# Altium PCB Antenna_base_v5.PcbDoc (part 1 of 2) (continued)
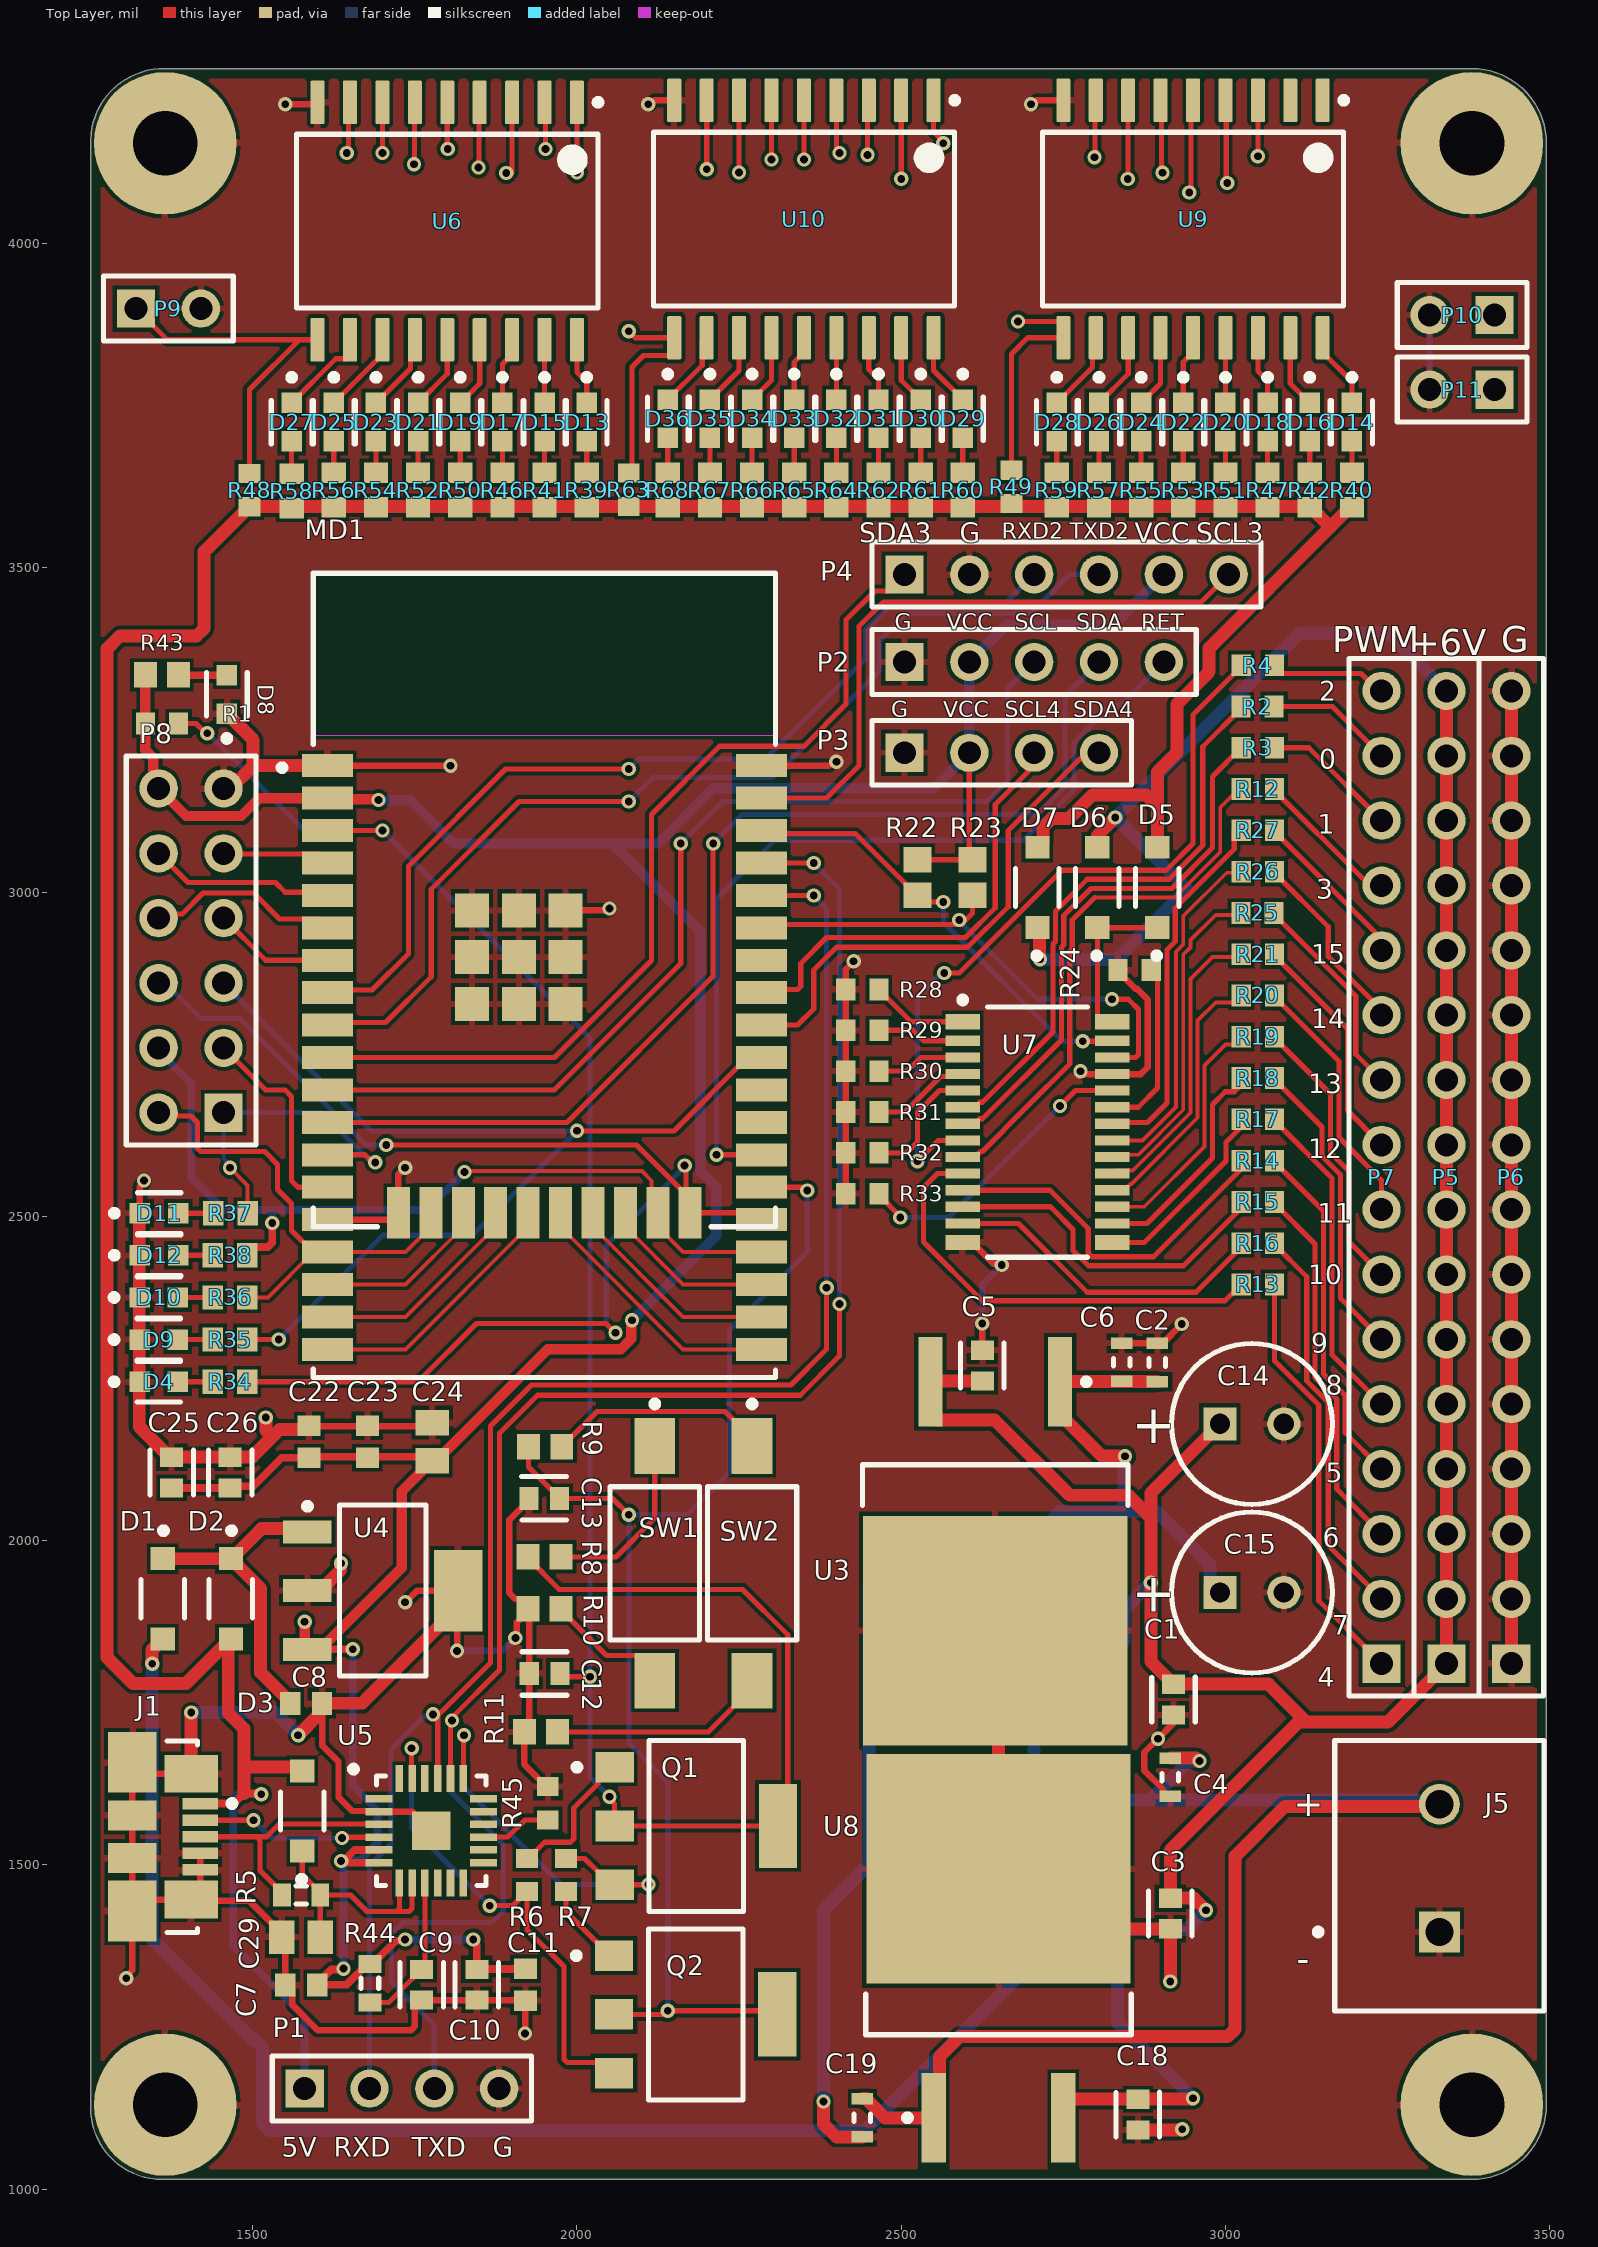
[diagram p0: Top Layer view]
## Footprints (in the part's own frame and the unit in brackets; to place one, negate y for a bottom-side part, rotate by r counter-clockwise, add the part's x,y. Pads: shape width x height; smd on the part's side, far side on the other; paste and mask are expansions set on the pad) (continued)
J1-0603 [mm] "Chip Resistor, Body 1.6x0.8mm, IPC High Density"
  rect 0.7x0.9 smd: 1(-0.75,0) 2(0.75,0)
  silkscreen extent -0.2,-0.35 0.2,0.35, body extent -0.85,-0.48 0.85,0.48, height 0.9
MOLX-47346-0001-5_V [mm] "SMD, 5-Leads, Body 7.5x5mm, Pitch 0.65mm"
  rect 0.45x1.38 smd: 1(-1.3,2.46) 2(-0.65,2.46) 3(0,2.46) 4(0.65,2.46) 5(1.3,2.46)
  rect 1.475x2.1 smd: 6(-2.462,2.1) 7(2.462,2.1)
  rect 2.375x1.9 smd: 8(-2.913,-0.2) 11(2.913,-0.2)
  rect 1.175x1.9 smd: 9(-0.837,-0.2) 10(0.837,-0.2)
  silkscreen extent -3.75,1.16 3.75,3.83, body extent -3.99,-2.78 3.99,2.65, height 2.69
RESC1608X50X30ML20T20 [mm] "Chip Resistor, 2-Leads, Body 1.60x0.80mm, IPC Low Density"
  rect 1x1.1 smd: 1(-0.7,0) 2(0.7,0)
  body extent -0.9,-0.5 0.9,0.5, height 0.5
RESC1608X55X30NL15T15 [mm] "Chip Resistor, 2-Leads, Body 1.60x0.80mm, IPC Medium Density"
  rect 0.8x0.95 smd: 1(-0.675,0) 2(0.675,0)
  body extent -0.87,-0.48 0.87,0.48, height 0.55
RESC1608X55X30NL20T20 [mm] "Chip Resistor, 2-Leads, Body 1.60x0.80mm, IPC Medium Density"
  rect 0.9x1 smd: 1(-0.65,0) 2(0.65,0)
  body extent -0.9,-0.5 0.9,0.5, height 0.55
RESC1609X55X30LL15T15 [mm] "Chip Resistor, 2-Leads, Body 1.75x0.95mm, IPC High Density"
  rect 0.75x0.85 smd: 1(-0.65,0) 2(0.65,0)
  body extent -0.87,-0.48 0.87,0.48, height 0.55
SLAB-QFN-24-2550x2550TP_A_V [mm] "QFN, 6-Leads, Body 4x4mm, Pitch 0.5mm, Thermal Pad 2.55x2.55mm"
  rect 1.053x0.3 smd: 1(-2.052,1.25) 2(-2.052,0.75) 3(-2.052,0.25) 4(-2.052,-0.25) 5(-2.052,-0.75) 6(-2.052,-1.25) 13(2.052,-1.25) 14(2.052,-0.75) 15(2.052,-0.25) 16(2.052,0.25) 17(2.052,0.75) 18(2.052,1.25)
  rect 0.3x1.053 smd: 7(-1.25,-2.052) 8(-0.75,-2.052) 9(-0.25,-2.052) 10(0.25,-2.052) 11(0.75,-2.052) 12(1.25,-2.052) 19(1.25,2.052) 20(0.75,2.052) 21(0.25,2.052) 22(-0.25,2.052) 23(-0.75,2.052) 24(-1.25,2.052)
  rect 1.524x1.524 smd: 25(0,0)
  silkscreen extent -3.17,-2.15 2.15,2.54, body extent -2,-2 2,2, height 0.8
SOT361-1_V [mm] "SOP, 28-Leads, Body 9.7x4.4mm, Pitch 0.65mm, NXP Recommended"
  rect 1.35x0.6 smd: 1(-2.925,4.325) 14(-2.925,-4.325) 15(2.925,-4.325) 28(2.925,4.325)
  rect 1.35x0.4 smd: 2(-2.925,3.575) 3(-2.925,2.925) 4(-2.925,2.275) 5(-2.925,1.625) 6(-2.925,0.975) 7(-2.925,0.325) 8(-2.925,-0.325) 9(-2.925,-0.975) 10(-2.925,-1.625) 11(-2.925,-2.275) 12(-2.925,-2.925) 13(-2.925,-3.575) 16(2.925,-3.575) 17(2.925,-2.925) 18(2.925,-2.275) 19(2.925,-1.625) 20(2.925,-0.975) 21(2.925,-0.325) 22(2.925,0.325) 23(2.925,0.975) 24(2.925,1.625) 25(2.925,2.275) 26(2.925,2.925) 27(2.925,3.575)
  silkscreen extent -3.05,-4.9 1.96,5.3, body extent -2.2,-4.85 2.2,4.85, height 1.1
SOT-223-DB3_L [mm] "SOT223, 4-Leads, Body 6.5x3.5mm, Pitch 2.3mm, Lead Span 7mm, IPC High Density"
  rect 1.9x0.9 smd: 1(-2.95,2.3) 2(-2.95,0) 3(-2.95,-2.3)
  rect 1.9x3.2 smd: 4(2.95,0)
  silkscreen extent -3.07,-3.35 1.7,3.42, body extent -1.85,-3.35 1.85,3.35, height 1.8
TECO-282836-2_V [mm] "Female Header, Pitch 5mm, 1 x 2 Position, Height 10mm"
  rect 1.6x1.6 hole 1.1: 1(-2.5,0)
  round 1.6 hole 1.1: 2(2.5,0)
  silkscreen extent -5.6,-4.1 5,4.87, body extent -5.6,-4.1 5,4.1, height 10
TECO-FSMSMTR_V [mm] "SMD, 2-Leads, Body 6x3.5mm, Pitch 9.19mm"
  rect 2.2x1.6 smd: 1(-4.595,0)
  rect 2.18x1.6 smd: 2(4.595,0)
  silkscreen extent -6.37,-1.75 3,1.75, body extent -4.98,-1.75 4.98,1.75, height 4.4
TO-263_L [mm] "D2-PAK, 4-Leads, Body 9.2x10.2mm, Pitch 2.54mm, Lead Span 15.4mm, IPC High Density"
  rect 3.5x0.95 smd: 1(-6.25,2.54) 3(-6.25,-2.54)
  rect 9x10.35 smd: 4(3.5,0)
  silkscreen extent -6.38,-5.2 -1.4,5.2, body extent -3,-5.2 6.35,5.2, height 4.6

## Part data
C1 C3 C5 C9 C10 C12 C13 C18 C25 C26: library part CMP-03020-016578-1, "CAP CER 0.1UF 16V X7R 0603", Capacitance="0.10 μF", Manufacturer=KEMET, Manufacturer Part Number=C0603C104M4RAC7411, Package=C0603C-CF, Temperature="-55°C to +125°C", Temperature Characteristic=X7R, Temperature Coefficient=30ppm/°C, Temperature Range High=+125°C, Temperature Range Low=-55°C, Tolerance=0.2, Voltage Rating="16 V", Automotive=Yes, Automotive Grade="Grade 1", Category=Cap, ComponentLink2Description=Datasheet, ComponentLink2URL=https://api.kemet.com/component-edge/download/datasheet/C0603C100J5GACAUTO.pdf, Device Class L1="Passive Components", Device Class L2=Capacitors, Device Class L3="Ceramic Capacitors", Digikey Description="CAP CER 0.1UF 16V X7R 0603", Height=0.87mm, Lead Free=Yes, Material=Ceramic, Mouser Description="Multilayer Ceramic Capacitors MLCC - SMD/SMT 16volts 0.1uF X7R 20%", Octopart=https://octopart.com/c0603c104m4rac7411-kemet-9138805, RoHS=TRUE
C2 C4 C6 C19: library part CMP-2000-07551-1, "Chip Capacitor, 0.33 uF, +/- 10%, 50 V, -55 to 125 degC, 0603 (1608 Metric), RoHS, Tape and Reel", Manufacturer=TDK, Package Description="2-Pin Surface Mount Device, Body 1.6 x 0.8 mm", Package Reference=603, Datasheet URL=https://product.tdk.com/info/en/catalog/datasheets/mlcc_commercial_general_en.pdf, Datasheet Version=07/2017, Manufacturer URL=http://www.tdk.com/, Mounting Technology=SurfaceMount
C7 C8 C11 C22 C23: library part CMP-2006-03318-1, Manufacturer=Kemet, Part Number=C0603C101J1GACTU
C14 C15: library part CMP-1665-00035-2, "Aluminum Electrolytic Capacitor, 22 uF, +/- 20%, 100 V, -40 to 85 degC, 2-Pin THD, RoHS, Bulk", Case Code (Imperial)=0603, Case Code (Metric)=1608, Colour=Orange, Forward Current="20 mA", Forward Voltage="2.1 V", Max Operating Temperature="85 degC", Min Operating Temperature="-55 degC", Package Quantity=3000, Case\Package=0603, ComponentLink1Description="Manufacturer URL", ComponentLink1URL=http://www.panasonic.com/, ComponentLink2Description=Datasheet, ComponentLink2URL=https://industrial.panasonic.com/cdbs/www-data/pdf/RDF0000/ABA0000C1047.pdf, DatasheetVersion=Mar-16, Height="1.1 mm", Illumination Colour=Orange, Length="1.6 mm", Lens Style=Clear, Luminous Intensity="2 mcd", Mount="Surface Mount", Nominal Vf="2.1 V", PackageDescription="2-Pin Through Hole Device, Dia 6.3 mm, Body Length 11.2 mm", PackageReference=Radial, Packaging="Tape and Reel", Pins=2, Radiation Hardening=No, RoHSCompliant=true, Viewing Angle="130 degrees", Width="0.8 mm"
C24 C29: library part CMP-2007-03453-1, Manufacturer=Murata, Package=0805, Part Number=GRM21BR61C106KE15L
D1 D2 D3 D5 D6 D7: library part CMP-12790-000018-1, "DIODE SCHOTTKY 40V 1A SOD123", Capacitance=50pF, Forward Current=1A, Manufacturer="Diodes Inc", Manufacturer Part Number=1N5819HW-7-F, Max Junction Temp=+125°C, Max Repetitive Reverse Voltage=40V, Max Surge Forward Current=25A, Package=SOD123, Peak Reverse Current=1mA, Temperature="-65°C to +125°C", Temperature Range Low=-65°C, Terminal Temperature Tt Degc=90, Automotive=No, Category=Diode, Ciiva Ids=815630, ComponentLink2Description=Datasheet, ComponentLink2URL=https://www.diodes.com/assets/Datasheets/ds30217.pdf, Device Class L1="Discrete Semiconductors", Device Class L2=Diodes, Device Class L3="Schottky Diodes", Digikey Description="DIODE SCHOTTKY 40V 1A SOD123", Footprint Url=https://www.diodes.com/assets/Package-Files/SOD123.pdf, Height=1.45mm, If A=1, Import Ts=1521843113, Ipc Land Pattern Name=SOD365155X123-2, Lead Free=Yes, Mouser Description="1N5819HW Series 40 V 1 A Surface Mount Schottky Barrier Rectifier - SOD-123", Octopart=https://octopart.com/1n5819hw-7-f-diodes+inc.-323197, Release Date=1385348939, Reverse Voltage=40V, RoHS=TRUE, Standoff Height=0mm, Temperature Range High=+125°C, Vr V=40
D4 D9 D10 D11 D12 D13 D14 D15 D16 D17 D18 D19 D20 D21 D22 D23 D24 D25 D26 D27 D28 D29 D30 D31 D32 D33 D34 D35 D36: library part CMP-22017-000008-1, "LED BLUE CLEAR CHIP SMD", Case Code (Imperial)=0603, Case Code (Metric)=1608, Color=Blue, Forward Current=20mA, Forward Voltage=3.8V, Lens Color=Colorless, Max Operating Temperature=80°C, Max Power Dissipation=75mW, Min Operating Temperature=-20°C, Package Quantity=1, Power Dissipation=76mW, Reverse Voltage=5V, Case/Package=0603, Depth=1.6mm, Dominant Wavelength=475nm, Height=0.55mm, Illumination Color=Blue, Lead Free="Lead Free", Length=0.8mm, Lens Style=Diffused, Lens Transparency=Clear, Luminous Intensity=180mcd, Mount="Surface Mount", Number of Elements=1, Number of LEDs=1, Number of Pins=2, Packaging="Tape and Reel", Radiation Hardening=No, Test Current=20mA, Viewing Angle=130°, Wavelength=468nm, Width=0.8mm
D8: library part CMP-22017-000005-1, "LED GREEN CLEAR CHIP SMD", Case Code (Imperial)=0603, Case Code (Metric)=1608, Color=Green, Forward Current=30mA, Forward Voltage=2.1V, Lens Color=Colorless, Max Operating Temperature=85°C, Min Operating Temperature=-55°C, Package Quantity=1, Power Dissipation=100mW, Reverse Voltage=5V, Test Current=10mA, Voltage=2V, Case/Package=0603, Depth=0.8mm, Dominant Wavelength=569nm, Height=0.8mm, Illumination Color=Green, Lead Free="Lead Free", Length=1.6mm, Lens Style=Clear, Lens Transparency=Clear, Luminous Intensity=6mcd, Mount="Surface Mount", Number of Elements=1, Number of LEDs=1, Number of Pins=2, Packaging="Tape and Reel", Power Rating=100mW, Radiation Hardening=No, Viewing Angle=130°, Wavelength=565nm, Width=0.8mm
J1: library part CMP-2000-05246-1, "Micro-USB B Receptacle with Flange, -30 to 85 degC, 5-Pin SMD, RoHS, Tape and Reel", Color=Black, Manufacturer=Molex, Maximum Current Rating=1.8/ContactA, Maximum Voltage Rating=30VAC, Operating Temperature=-30to85C, Body Orientation=RightAngle, Contact Material=CopperAlloy, Contact Plating=GoldOverPalladiumNickelOverNickel, Datasheet URL=https://datasheet.ciiva.com/30075/304740473460001-io-nectors-30075527.pdf, Datasheet Version=Dec-13, Dimension=7.8x5.43x2.94mm, Gender=RCP, Housing Material=LiquidCrystalPolymer, Manufacturer URL=http://www.molex.com/, Mounting=SurfaceMount, Number of Contacts=5, Number of Ports=1, Number of Terminals=5, Packaging=EmbossedTapeandReel, Part No=47346-0001, Pitch=0.65mm, RoHS=Yes, Termination Method=Solder, Type=MicroUSBTypeB
J5: library part CMP-1684-00017-1, "Female Header, Pitch 5 mm, 1 x 2 Position, Height 10 mm, Tail Length 3.5 mm, Rohs, Bulk", Color=Green, Current=13.5A, Manufacturer="TE Connectivity", Package Description="Female Header, Pitch 5 mm, 1 x 2 Position, Height 10 mm, Tail Length 3.5 mm", Package Reference=THD, Standard Package=300, Voltage=300V, 3D Model=282836-2.pdf, Category=Connectors,Interconnects, Clamp Material - Plating=Brass-NickelPlated, Contact Material - Plating=Brass-TinPlated, Datasheet URL=http://www.te.com.cn/commerce/DocumentDelivery/DDEController?Action=showdoc&DocId=Catalog+Section%7F1308389_EUROSTYLE_TERMINAL_BLOCKS%7F0607%7Fpdf%7FEnglish%7FENG_CS_1308389_EUROSTYLE_TERMINAL_BLOCKS_0607.pdf%7F282836-2, Dynamic Catalog=BuchananSeries, Family=TerminalBlocks-WiretoBoard, Featured Product=EurostyleTerminalBlockConnectors, Features=Interlocking(Side), Housing Material=Polyamide(PA66),Nylon6/6, Manufacturer URL=http://www.te.com, Mating Orientation=HorizontalwithBoard, Mounting Type=ThroughHole, Number of Levels=1, Other Names="5ULV-02B / A98076", Packaging=Bulk, Pitch="0.197\"(5.00mm)", Positions Per Level=2, Product Training Modules=Wire-to-BoardEurostyleTerminalBlocks, RoHS Information=282836-2StatementofCompliance, Screw Material - Plating=Brass-NickelPlated, Screw Thread=M3, Series=Buchanan, Torque - Screw=0.68Nm(6Lb-In), Wire Gauge=16-30AWG, Wire Termination=Screw-RisingCageClamp
MD1: library part CMP-194065-000003-1, "WIFI MODULE 32MBITS SPI FLASH", Manufacturer="Espressif Systems", Max Frequency=2484MHz, Max Supply Voltage=3.6V, Min Supply Voltage=3V, Nominal Supply Current=500mA, Temperature="-40°C to +85°C", Temperature Range High=+85°C, Temperature Range Low=-40°C, Automotive=No, Bandwidth=72MHz, Category=UNK, ComponentLink2Description=Datasheet, ComponentLink2URL=https://www.espressif.com/sites/default/files/documentation/esp32-wroom-32d_esp32-wroom-32u_datasheet_en.pdf, Data Rate=150Mbits/s, Device Class L1="Integrated Circuits (ICs)", Device Class L2="RF Semiconductors and Devices", Device Class L3=Transceivers, Digikey Description="WIFI MODULE 32MBITS SPI FLASH", Height=3.2mm, Interface=I2C,SPI,UART,Ethernet,I2S,Other, Lead Free=Yes, Manufacturer Part Number=ESP32-WROOM-32D, Mouser Description="Wi-Fi/BT BLE Module ESP32-D0WD, SPI Flash, UART, P", Number Of Adc Channels=16, Number Of Gpio=32, Octopart=https://octopart.com/esp32-wroom-32d-espressif+systems-91040050, Package=ESP32-WROOM-32D, RoHS=TRUE, Sensitivity=-98dBm
P1 P3: "Header, 4-Pin", LatestRevisionDate=17-Jul-2002, LatestRevisionNote="Re-released for DXP Platform.", Publisher="Altium Limited"
P2: "Header, 5-Pin", LatestRevisionDate=17-Jul-2002, LatestRevisionNote="Re-released for DXP Platform.", Publisher="Altium Limited"
P4: "Header, 6-Pin", LatestRevisionDate=17-Jul-2002, LatestRevisionNote="Re-released for DXP Platform.", Publisher="Altium Limited"
P5 P6 P7: "Header, 16-Pin", LatestRevisionDate=17-Jul-2002, LatestRevisionNote="Re-released for DXP Platform.", Publisher="Altium Limited"
P8: "Header, 6-Pin, Dual row", LatestRevisionDate=17-Jul-2002, LatestRevisionNote="Re-released for DXP Platform.", Publisher="Altium Limited"
P9 P10 P11: "Header, 2-Pin", LatestRevisionDate=17-Jul-2002, LatestRevisionNote="Re-released for DXP Platform.", Publisher="Altium Limited"
Q1 Q2: library part CMP-12195-000003-1, "TRANS NPN 80V 1A SOT-223", Collector Base Voltage=100V, Collector Emitter Breakdown Voltage=80V, Collector Emitter Saturation Voltage=0.5V, Emitter Base Voltage=5V, Manufacturer=STMicroelectronics, Max Collector Current=1A, Max Junction Temp=+150°C, Package=SOT-223-P008, Power Dissipation=1.6W, Temperature="to +150°C", Automotive=No, Category=Trans, Collector Emitter Voltage=80V, ComponentLink2Description=Datasheet, ComponentLink2URL=https://www.st.com/resource/en/datasheet/bcp56-16.pdf, Device Class L1="Discrete Semiconductors", Device Class L2=Transistors, Device Class L3=BJTs, Digikey Description="TRANS NPN 80V 1A SOT-223", Footprint Url=https://www.st.com/content/ccc/resource/technical/document/application_note/45/cc/69/ea/2f/8d/4e/3c/CD00004438.pdf/files/CD00004438.pdf/jcr:content/translations/en.CD00004438.pdf, Height=1.82mm, Hfe Max=250, Hfe Min=100, Hfe Testic=150mA, Hfe Testvce=2V, Ipc Land Pattern Name=SOT230P700X180-4, Lead Free=Yes, Manufacturer Part Number=BCP56-16, Mouser Description="BCP56 Series 80 V 1 A 1.6 W Surface Mount Low Power NPN Transistor - SOT-223", Number of Elements=1, Number Of Npn=1, Octopart=https://octopart.com/bcp56-16-stmicroelectronics-13883839, RoHS=TRUE, Rthja Max=78°C/W, Standoff Height=0.02mm, Temperature Range High=+150°C
R1 R2 R3 R4 R6 R7 R12 R13 R14 R15 R16 R17 R18 R19 R20 R21 R24 R25 R26 R27 R28 R29 R30 R31 R32 R33 R45 R48 R49 R63: library part CMP-2000-07452-1, "Chip Resistor, 10 KOhm, +/- 1%, 0.1 W, -55 to 155 degC, 0603 (1608 Metric), RoHS, Tape and Reel", Case Code (Imperial)=0603, Case Code (Metric)=1608, Manufacturer=Panasonic, Max Operating Temperature=155degC, Max Power Dissipation=100mW, Min Operating Temperature=-55degC, Package Description="2-Pin Surface Mount Device, Body 1.6 x 0.85 mm", Package Quantity=1, Package Reference=603, Resistance=10KOhm, Temperature Coefficient=100ppm\/degreesC, Tolerance=1%, Voltage Rating=75V, Case\/Package=0603, Composition=ThickFilm, Contact Plating=Tin, Datasheet URL=https://industrial.panasonic.com/cdbs/www-data/pdf/RDA0000/AOA0000C304.pdf, Datasheet Version=02/2017, Depth=0.8mm, Height=0.45mm, Lead Free=LeadFree, Length=1.6mm, Manufacturer URL=http://www.panasonic.com/, Military Standard=Not, Mount=SurfaceMount, Mounting Technology=SurfaceMount, Number of Pins=2, Number of Terminations=2, Packaging=TapeandReel, Power Rating=100mW, Radiation Hardening=No, REACH SVHC=NoSVHC, RoHSCompliant=true, Termination=SMD/SMT, Voltage Rating (DC)=75V, Width=0.031inch
R5 R44: library part Res3, "Resistor", LatestRevisionDate=29-May-2009, LatestRevisionNote="IPC-7351 Footprint Added.", PackageDescription="Chip Resistor", PackageReference=J1-0603, Published=8-Jun-2000, Publisher="Altium Limited"
R8 R9 R10 R11 R43: library part CMP-2000-00896-1, Manufacturer=Panasonic, Part Number=ERA-3AEB121V
R22 R23: library part CMP-2000-02561-1, Manufacturer=Susumu, Part Number=RR0816P-242-D
R34 R35 R36 R37 R38 R39 R40 R41 R42 R46 R47 R50 R51 R52 R53 R54 R55 R56 R57 R58 R59 R60 R61 R62 R64 R65 R66 R67 R68: library part CMP-2000-00795-1, Manufacturer=Panasonic, Part Number=ERJ-3GEYJ471V
SW1 SW2: library part CMP-2000-07501-1, "FSMSM Push Button Switch, 50 mA, -35 to 85 degC, 2-Pin SMD, RoHS, Tape and Reel", Case\/Package=SMD/SMT, Contact Current Rating=50mA, Contact Resistance=100mOhm, Manufacturer="TE Connectivity", Max Operating Temperature=85degC, Max Voltage Rating (DC)=12V, Min Operating Temperature=-35degC, Operating Force=180gf, Package Description="2-Pin Surface Mount Device, Body 6 x 3.5 mm, Pitch 9.19 mm", Package Quantity=1800, Package Reference=FSMSMTR, Voltage Rating (DC)=24V, Actuator Length=1.07mm, Actuator Material=Polyamide, Contact Material=Brass, Contact Plating=Silver, Current Rating=50mA, Datasheet URL=http://www.te.com/commerce/DocumentDelivery/DDEController?Action=showdoc&DocId=Customer+Drawing%7F1437566-3%7FC2%7Fpdf%7FEnglish%7FENG_CD_1437566-3_C2_1437566_3_1_c.dwg.pdf%7F1437566-4, Datasheet Version="Rev. C2, 08/2014", Electrical Life=20000Cycles, ELV=Compliant, Illumination Type=Illuminated, Lead Free=LeadFree, Manufacturer URL=http://www.te.com/, Mechanical Life=20000Cycles, Mount=SurfaceMount, Mounting Technology=SurfaceMount, Orientation=Straight, Packaging=TapeandReel, REACH SVHC=Unknown, RoHSCompliant=true, Switch Travel=0.25mm, Termination=GullWing, Throw Configuration=SPST
U1 U2 U3 U8: library part CMP-0244-00208-1, "Positive Voltage Regulator, 3-Pin D2PAK, Tape and Reel", ComponentLink1Description="Manufacturer URL", ComponentLink1URL=http://www.st.com, ComponentLink2Description=Datasheet, ComponentLink2URL=http://www.st.com/internet/com/TECHNICAL_RESOURCES/TECHNICAL_LITERATURE/DATASHEET/CD00000444.pdf, DatasheetVersion=16/11/2011, PackageDescription="3-Pin Transistor Outline Package 2.54 mm Pitch, 15.4 mm Lead Span (D2PAK)", PackageReference=TO-263, PackageVersion=2011
U4: library part CMP-0136-00504-1, "1000 mA, Low Voltage, Low Quiescent Current LDO Regulator, 3-Pin SOT-223, Extended Temperature", DatasheetVersion="revA, Aug-2007", PackageDescription="3-Lead Plastic Small Outline Transistor (DB) [SOT-223]", PackageReference=SOT-223-DB3, PackageVersion="revBB, Aug-2009"
U5: library part CMP-2000-07570-1, "USBXpress(TM) Family, 4 GPIOs, 2.2 to 3.6 V, -40 to 85 degC, 24-Pin QFN, RoHS", Case\/Package=QFN, Manufacturer="Silicon Labs", Max Operating Temperature=85degC, Max Supply Voltage=3.6V, Min Operating Temperature=-40degC, Min Supply Voltage=3V, Package Description="24-Pin Quad Flat No-lead Package, Body 4 x 4 mm, Pitch 0.5 mm", Package Reference=QFN-24-2550x2550TP_A, Datasheet URL=http://www.silabs.com/documents/public/data-sheets/cp2102n-datasheet.pdf, Datasheet Version="Rev. 1.1, 08/2016", Manufacturer URL=http://www.silabs.com/, Mounting Technology=SurfaceMount, Number of Pins=24, REACH SVHC=Unknown, RoHSCompliant=False
U6 U9 U10: library part CMP-2000-07354-1, "Darlington Transistor Array, -40 to 85 degC, 18-Pin SOIC (DW), Green (RoHS & no Sb/Br), Tape and Reel", Manufacturer="Texas Instruments", Package / Case="18-SOIC(0.295\",7.50mmWidth)", Package Description="18-Pin Plastic Small Outline, Body 11.55 x 7.5 mm, Pitch 1.27 mm", Package Reference=DW18, Package Version="4040000-3/G, 01/2011", PartNumber=ULN2803A, Standard Package=1, Supplier Device Package=18-SOIC, Voltage - Supply=5V, Category=IntegratedCircuits(ICs), Datasheet URL=http://www.ti.com/lit/ds/symlink/uln2803a.pdf, Datasheet Version="Rev. G, 01/2015", Dynamic Catalog=DarlingtonArrays, Family=Interface-Drivers,Receivers,Transceivers, IR Max=50uA, Manufacturer URL=http://www.ti.com/, Mounting Technology=SurfaceMount, Mounting Type=SurfaceMount, Number of Drivers/Receivers=8/0, Other Names=296-15777-6, Package URL=http://www.ti.com/lit/ml/mpds172a/mpds172a.pdf, Packaging=Digi-Reel®, Protocol=-, Series=-, Type=DarlingtonArray, VF=1.7V
U7: library part CMP-1595-00004-2, "16-Channel, 12-Bit PWM Fm+ I2C-Bus LED Controller, 2.3 to 5.5 V, -40 to 85 degC, 28-Pin TSSOP (SOT361-1), RoHS, Tape and Reel", Frequency="25000000 Hz", PartNumber=PCA9685, Supply Current Max="10 mA", Supply Voltage Max="5.5 V", Supply Voltage Min="2.3 V", Temperature Max="85 degC", Temperature Min="-40 degC", Code_JEDEC=MO-153, ComponentLink1Description="Manufacturer URL", ComponentLink1URL=http://www.nxp.com/, ComponentLink2Description=Datasheet, ComponentLink2URL=http://www.nxp.com/documents/data_sheet/PCA9685.pdf, ComponentLink3Description="Package Specification", ComponentLink3URL=http://www.nxp.com/documents/outline_drawing/sot361-1_po.pdf, DatasheetVersion="Rev. 4", Mounting Technology="Surface Mount", PackageDescription="28-Pin Small Outline Package, Body 9.7 x 4.4 mm, Pitch 0.65 mm", PackageVersion=02/2003, Packing="Tape and Reel", RoHS=TRUE

## Free pads (board coordinates)
  round 220 hole 100: C1(1365,4155) C2(3380,4155) C3(1365,1130) C4(3380,1130)

## Via types
v1: diameter 22, hole 12, Top Layer to Bottom Layer, 108 vias

## Nets (pads, with @x,y where several pads share a name; then routed paths per layer and width w, separated by ;. In a path a pad name is that pad's centre, name@x,y a point inside that pad or via, vN(x,y) a via of type N, cw(c..) or ccw(c..) an arc to the next point about the centre after c; other vN are vias at no path point)
A0: R28.2 U7.1 | length 151
  Top Layer w8: R28.2@2465.59,2850 2465.59,2848.03 2476.35,2837.27 2478.32,2837.27 2515.31,2800.28 U7.1@2594.84,2800.28
A1: R29.2 U7.2 | length 136
  Top Layer w8: R29.2@2465.59,2787 2518.12,2787 2534.37,2770.75 U7.2@2594.84,2770.75
A2: R30.2 U7.3 | length 138
  Top Layer w8: R30.2@2465.59,2724 2509,2724 2530.16,2745.16 U7.3@2594.84,2745.16
A3: R31.2 U7.4 | length 172.2
  Top Layer w8: R31.2@2465.59,2661 2506,2661 2560.69,2715.69 2590.97,2715.69 U7.4@2594.84,2719.57 U7.4@2576.14,2719.57
A4: R32.2 U7.5 | length 195.4
  Top Layer w8: R32.2@2465.59,2598 2508,2598 2525,2615 2525,2660 2558.98,2693.98 U7.5@2594.84,2693.98
A5: R33.2 U7.24 | length 458.9
  Top Layer w8: R33.2@2465.59,2535 2465.59,2533.03 2498.55,2500.08 v1(2498.55,2498.21) ; v1(2745.03,2670.24) 2768.77,2693.98 U7.24@2825.16,2693.98 U7.24@2824.65,2694.49
  Bottom Layer w8: v1(2498.55,2498.21) 2573,2498.21 v1(2745.03,2670.24)
BAT12V: C2.2 C4.2 C6.2 C15.1 C19.2 J5.2 U1.1 U2.1 U3.1 U8.1 | length 3226.6
  Top Layer w20: C19.2@2440,1139.53 2445.59,1139.53 2475.12,1110 U8.1@2550,1110 2558.7,1118.7 2558.7,1203.7 2590,1235 3003.28,1235 3015,1246.72 3015,1513.43 3091.57,1590 3326.57,1590 J5.2@3330,1593.43 ; v1@2845.38,2129.62 v1(2845,2130) 2844.62,2130.38 2809.42,2130.38 2745,2194.8 U3.1@2745,2245 2745.47,2245.47 C6.2@2840,2245.47 2840.24,2245.24 2894.76,2245.24 C2.2@2895,2245 ; C4.2@2915,1664.53 2954.93,1664.53 2959.46,1660 v1(2960,1660)
  Bottom Layer w20: v1(2845,2130) 2845,2129.46 2843.86,2128.32 U1.1@2843.86,2045 ; v1(2960,1660) 2959.62,1659.62 2943.67,1659.62 U2.1@2884.06,1600 ; C15.1@2991.57,1920 2975.98,1935.59 2975.98,1963.07 2894.06,2045 U1.1@2843.86,2045 ; 3294.79,1600 U2.1@2884.06,1600 ; U1.1@2843.86,2045 2745,2045 2705,2005 2705,1615 2720,1600 U2.1@2833.86,1600 U2.1@2884.06,1600
BNO_RESET: MD1.26 P2.5 U9.4 | length 2256
  Top Layer w8: v1(2215,2595) MD1.26@2284.29,2595 ; U9.4@3000,4221.14 3001.33,4219.81 3001.33,4095.03 v1(3002.65,4093.7)
  Layer 1 w8: P2.5@2905,3355 2955,3405 2955,4046.04 v1(3002.65,4093.7)
  Bottom Layer w8: v1(2215,2595) 2215,2990.31 2219.69,2995 2220,2995 2305,3080 2688.38,3080 2766.47,3158.09 2766.47,3230.96 2823.61,3288.09 2838.09,3288.09 P2.5@2905,3355
BOOT_OP0: C13.1 MD1.25 Q2.2 R9.2 | length 2001.8
  Top Layer w8: R9.2@1925.35,2145.04 1925.35,2113.35 1959.95,2078.76 1962.43,2078.76 1973.19,2067.99 C13.1@1973.19,2065.04 2054.96,2065.04 v1(2080,2040) ; Q2.2@2057.05,1269.45 v1@2140,1269.45 ; v1(2140,1275) 2303.46,1275 Q2.2@2309.02,1269.45 ; MD1.25@2284.29,2545 2346.21,2545 2351.21,2540 v1(2355,2540)
  Bottom Layer w8: v1(2140,1275) 2140,1627.5 2080,1687.5 v1(2080,2040) 2169.7,2040 2235,2105.3 2235,2325 2355,2445 v1(2355,2540)
CLK: MD1.20 | length 409.6
  Top Layer w6: MD1.20@1974.65,2505.63 1974.65,2483.98 2163.62,2295 MD1.20@2284.29,2295
CMD: MD1.19 | length 409.6
  Top Layer w6: MD1.19@1615,2295 1735.67,2295 1924.65,2483.98 MD1.19@1924.65,2505.63
COM1: P9.1 R48.2 U6.10 | length 538.1
  Top Layer w8: P9.1@1320,3900 1368.07,3851.93 1571.93,3851.93 ; R48.2@1495,3645.59 1495,3775 1571.93,3851.93 ; U6.10@1600,3851.93 1571.93,3851.93
COM2: P10.1 R49.2 U9.10 | length 1151.3
  Top Layer w8: R49.2@2670,3650.59 2670,3830 2695,3855 U9.10@2750,3855 2750,3873.17 2743.17,3880 v1(2680,3880)
  Layer 2 w8: 2690,3890 v1(2680,3880) 3200,3880 3245,3835 3360,3835 P10.1@3415,3890
COM3: P11.1 R63.2 U10.10 | length 1708.1
  Top Layer w8: R63.2@2080,3646.18 2085,3651.18 2085,3810 2102.48,3827.48 2143.17,3827.48 2150,3834.31 U10.10@2150,3855 2090,3855 v1(2080,3865)
  Layer 2 w8: v1(2080,3865) 2123,3822 3368,3822 P11.1@3415,3775
D_N: J1.2 U5.4 | length 287.4
  Top Layer w8: J1.2@1419.09,1569.02 1419.18,1568.93 v1(1501.3,1568.93) ; v1(1637.62,1541.48) 1638.64,1542.5 1694.27,1542.5 U5.4@1694.57,1542.8
  Bottom Layer w8: v1(1501.3,1568.93) 1528.74,1541.48 v1(1637.62,1541.48)
D_P: J1.3 R5.2 U5.3 | length 396.1
  Top Layer w8: J1.3@1419.09,1543.43 1506.3,1543.43 ; R5.2@1540.76,1457.71 R5.2@1545.04,1453.43 1545.04,1457.36 1511.3,1491.1 1511.3,1538.43 1506.3,1543.43 ; U5.3@1694.57,1562.48 1693.84,1563.21 1540.76,1563.21 1520.97,1543.43 1506.3,1543.43
DTR: Q2.3 R6.1 U5.23 | length 774.6
  Top Layer w8: v1(1745,1680) 1745,1634.22 U5.23@1745.81,1633.41 ; v1(1865.41,1437.11) 1901.28,1437.11 R6.1@1923.03,1458.86 1923.03,1400.03 1980,1343.06 1980,1200 1985,1195 2040.94,1195 Q2.3@2057.05,1178.9
  Bottom Layer w8: v1(1745,1680) 1745,1557.51 v1(1865.41,1437.11)
EN: C12.1 MD1.3 Q1.2 R1.2 R8.2 | length 3206.1
  Top Layer w8: R1.2@1385.59,3258.03 R1.2@1385.59,3260 1412.47,3260 1427.47,3245 v1(1430,3245) ; MD1.3@1615,3095 v1(1700,3095) ; R8.2@1924.41,1975 1924.41,1973.03 1972.76,1924.69 2255.31,1924.69 2325,1855 2325,1575 Q1.2@2310,1560 Q1.2@2058.03,1560 2058.03,1593.85 2050,1601.88 v1(2050,1605) ; C12.1@1973.62,1795 1978.62,1790 v1(2020,1790)
  Bottom Layer w8: v1(1430,3245) 1580,3095 v1(1700,3095) 2020,2775 v1(2020,1790) 2020,1635 v1(2050,1605)